# Altium PCB FPGA_SHIELD_MARK1_Single_Side.PcbDoc (part 3 of 3)
Units mil, origin at the board's own origin, x right, y up, seen from the top; angles counter-clockwise.
Board outline 3360 x 2600 mil, 4 copper layers (Top Layer, VCC, GND, Bottom Layer); 151 components, 185 nets, 729 pads, 460 vias.
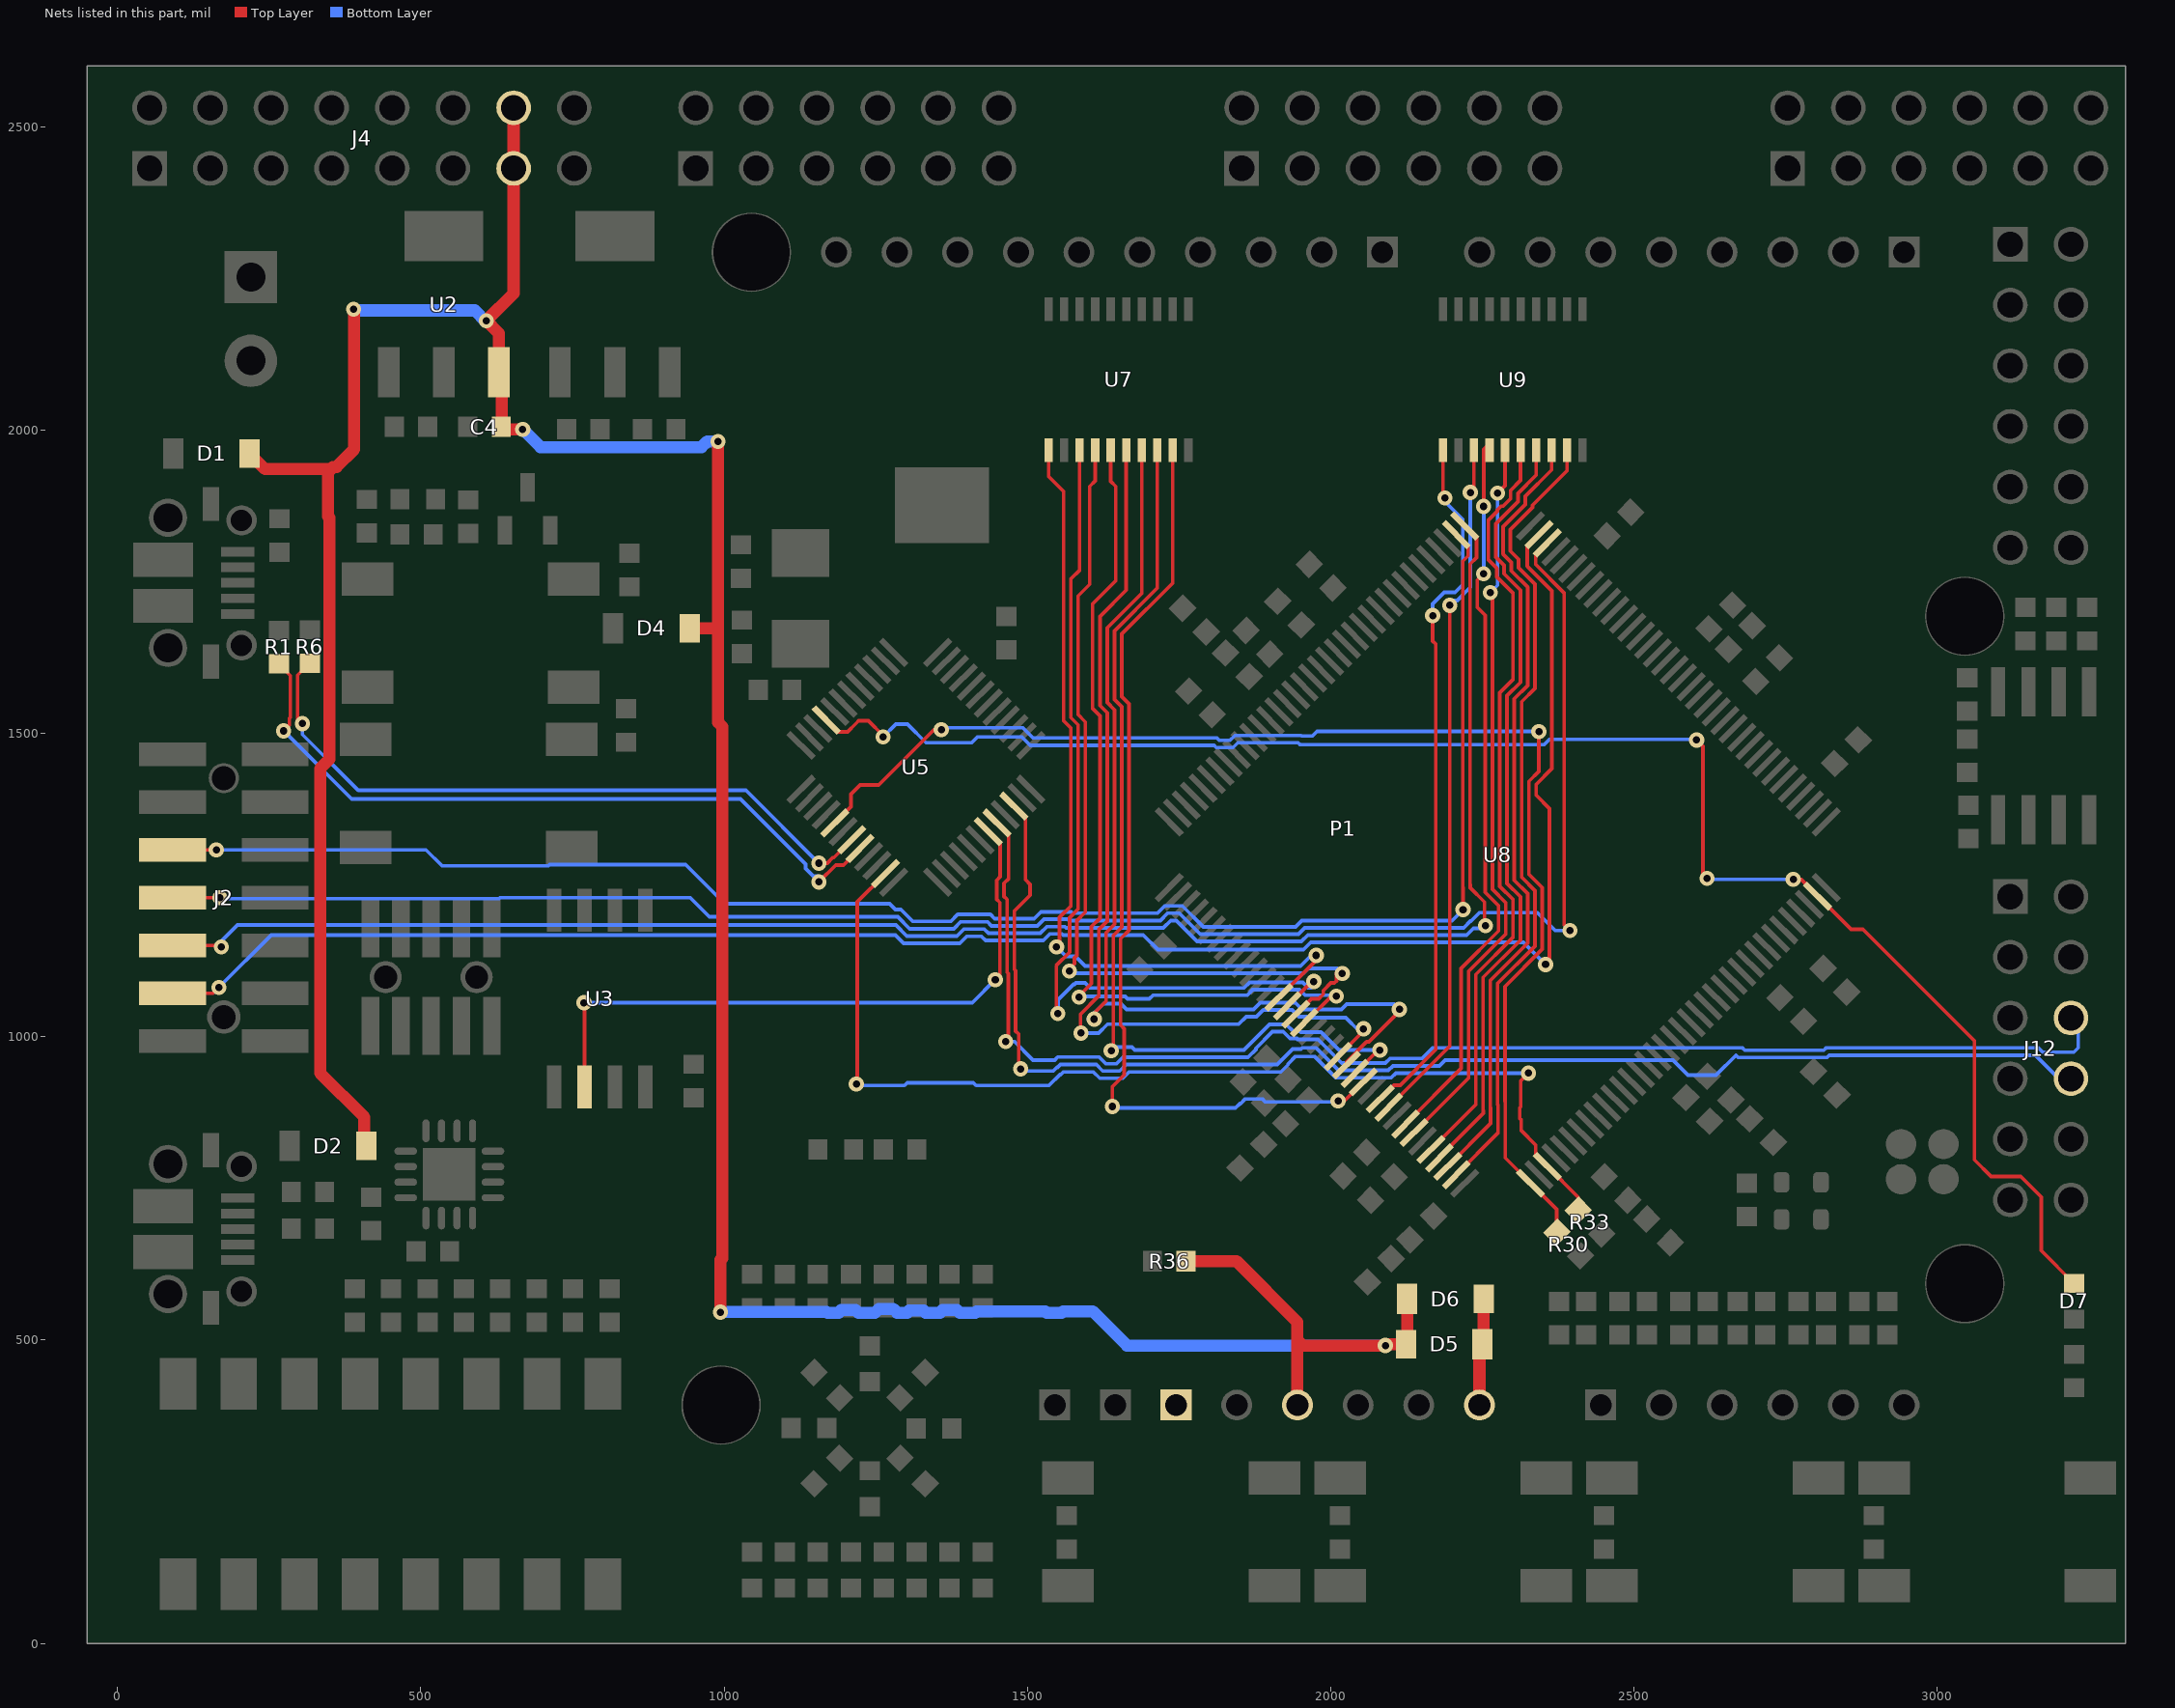
[diagram p5: the nets of this part, all layers, seen from the top]

## Via types
v1: diameter 25, hole 12, Top Layer to Bottom Layer, tented both sides, 386 vias
v2: diameter 25, hole 12, Top Layer to Bottom Layer, 37 vias
v3: diameter 26, hole 12, Top Layer to Bottom Layer, 16 vias
v4: diameter 26, hole 12, Top Layer to Bottom Layer, tented both sides, 12 vias
v5: diameter 26, hole 15, Top Layer to Bottom Layer, 5 vias
v6: diameter 25.98, hole 12.99, Top Layer to Bottom Layer, tented both sides, 4 vias

## Nets (pads, with @x,y where several pads share a name; then routed paths per layer and width w, separated by ;. In a path a pad name is that pad's centre, name@x,y a point inside that pad or via, vN(x,y) a via of type N, cw(c..) or ccw(c..) an arc to the next point about the centre after c; other vN are vias at no path point) (continued)
PMOD6_9: J12.9 U5.32 | length 2279
  Top Layer w6: U5.32@1449.63,1352.13 1469.07,1332.69 1469.07,1260.47 1461.5,1252.91 1461.5,1231.09 1466.5,1226.09 1466.5,1105.91 1468.5,1103.91 1468.5,996.5 v1(1464,992)
  Bottom Layer w6: v1(1464,992) 1478.62,992 1509.12,961.5 1544.88,961.5 1549.88,966.5 1618.09,966.5 1629.09,955.5 1646.91,955.5 1657.41,966 1863.62,966 1876.5,978.88 1876.5,980.91 1903.74,1008.15 1921.55,1008.15 1932.7,997 1944.38,997 1944.5,996.88 1944.5,995.88 1944.88,995.5 1978.85,995.5 2017.85,956.5 2089.91,956.5 2097.41,964 2150.38,964 2167.88,981.5 2678.53,981.5 2682.23,977.8 2812.71,977.8 2816.42,981.5 3166.53,981.5 3173.53,974.5 3224.97,974.5 3232,981.53 3232,1016 J12.9@3220,1028
PMOD6_10: J12.10 U5.34 | length 2282.8
  Top Layer w6: U5.34@1477.47,1379.97 1496.9,1360.53 1496.9,1258.5 1504.5,1250.91 1504.5,1233.09 1478.5,1207.09 1478.5,1110.88 1480.5,1108.88 1480.5,1009.21 1485.5,1004.21 1485.5,950.5 v1(1489,947)
  Bottom Layer w6: v1(1489,947) 1492.5,943.5 1542.53,943.5 1548.53,949.5 1549.85,949.5 1554.35,954 1613.62,954 1624.12,943.5 1651.88,943.5 1662.38,954 1911.62,954 1937.12,979.5 1951,979.5 1953,981.5 1975.88,981.5 2012.88,944.5 2094.88,944.5 2102.38,952 2179,952 2188.5,961.5 2563.91,961.5 2588.91,936.5 2635,936.5 2668,969.5 2671.7,965.8 2817.68,965.8 2821.39,969.5 3161.56,969.5 3203.06,928 J12.10@3220,928
SCK: U3.6 U5.31 | length 1089.1
  Top Layer w6: U3.6@770,917.33 v3@770,1056 ; U5.31@1435.71,1338.21 1435.71,1337.39 1455.15,1317.95 1455.15,1263.52 1449.5,1257.88 1449.5,1226.12 1454.5,1221.12 v1@1454.5,1094
  Bottom Layer w6: v3(769,1056) 769.25,1056.25 1409.25,1056.25 v1(1447,1094)
SHIELD_D0: U8.35 U9.9 | length 1333.4
  Top Layer w6: U8.35@2206.8,772.45 2275.5,841.16 2275.5,887.88 2275,888.38 2275,1087.74 2336.5,1149.24 2336.5,1240.73 2314.5,1262.73 2314.5,1552 2336.5,1574 2336.5,1745.82 2309.5,1772.82 2309.5,1786.82 2295.93,1800.39 2295.93,1835.61 2332.5,1872.18 2332.5,1875.91 2389.57,1932.97 U9.9@2389.57,1977.86
SHIELD_D1: U8.34 U9.8 | length 1314.6
  Top Layer w6: U8.34@2192.88,786.37 2263.5,857 2263.5,882.91 2263,883.41 2263,1092.71 2324.5,1154.21 2324.5,1235.76 2302.5,1257.76 2302.5,1556.97 2324.5,1578.97 2324.5,1740.85 2297.5,1767.85 2297.5,1781.85 2283.93,1795.42 2283.93,1840.58 2320.5,1877.15 2320.5,1890.59 2363.98,1934.06 U9.8@2363.98,1977.86
SHIELD_D2: U8.33 U9.7 | length 1295.9
  Top Layer w6: U8.33@2178.96,800.29 2178.96,801.27 2251.5,873.82 2251.5,877.94 2251,878.44 2251,1097.68 2312.5,1159.18 2312.5,1230.79 2290.5,1252.79 2290.5,1561.94 2312.5,1583.94 2312.5,1735.88 2285.5,1762.88 2285.5,1776.88 2271.93,1790.45 2271.93,1845.55 2308.5,1882.12 2308.5,1895.56 2338.39,1925.44 U9.7@2338.39,1977.86
SHIELD_D3: U8.32 U9.6 | length 1278.5
  Top Layer w6: U8.32@2165.04,814.21 2165.12,814.21 2239,888.09 2239,1102.65 2300.5,1164.15 2300.5,1225.82 2278.5,1247.82 2278.5,1566.91 2300.5,1588.91 2300.5,1730.91 2273.5,1757.91 2273.5,1771.91 2259.93,1785.48 2259.93,1851.52 2274.5,1866.09 2274.5,1868.09 2280.91,1874.5 2283.91,1874.5 2296.5,1887.09 2296.5,1900.53 2312.8,1916.82 U9.6@2312.8,1977.86
SHIELD_D4: U8.30 U9.5 | length 1219.1
  Top Layer w6: U8.30@2137.2,842.05 2227,931.85 2227,1107.62 2288.5,1169.12 2288.5,1220.85 2266.5,1242.85 2266.5,1728.5 v1(2263,1732) ; v1(2275,1896) 2287.2,1908.2 U9.5@2287.2,1977.86
  Bottom Layer w6: v1(2263,1732) 2275,1744 v1(2275,1896)
SHIELD_D5: U8.29 U9.4 | length 1208.2
  Top Layer w6: U8.29@2123.28,855.97 2215,947.69 2215,1112.59 2276.5,1174.09 2276.5,1215.88 2254.5,1237.88 2254.5,1694.44 2241.5,1707.44 2241.5,1752.5 v1(2252,1763) ; v1(2252,1874) 2252,1968.24 U9.4@2261.61,1977.86
  Bottom Layer w6: v1(2252,1763) v1(2252,1874)
SHIELD_D6: U8.27 U9.3 | length 1159.5
  Top Layer w6: U8.27@2095.44,883.81 2196,984.37 v1(2196,1711) ; v1(2230,1897) 2236.02,1903.02 U9.3@2236.02,1977.86
  Bottom Layer w6: v1(2196,1711) 2196,1719 2208.38,1719 2230,1740.62 v1(2230,1897)
SHIELD_D7: U8.26 U9.1 | length 1170.7
  Top Layer w6: U8.26@2081.52,897.73 2103.97,920.18 2114.4,920.18 2173,978.78 2173,1647 2168,1652 v1(2168,1694) ; U9.1@2184.84,1977.86 2184.84,1891.16 v1(2188,1888)
  Bottom Layer w6: v1(2168,1694) 2168,1713.41 2187.09,1732.5 2204.91,1732.5 2217.5,1745.09 2217.5,1852.5 2188,1882 v1(2188,1888)
SHIELD_D8: U7.9 U8.24 | length 1580.7
  Top Layer w6: v1(1640,885) 1640,917.59 1659.5,937.09 1659.5,1013 1653.55,1018.95 1653.55,1114.94 1653.5,1114.98 1653.5,1161.48 1667.5,1175.48 1667.5,1548.67 1655.5,1560.67 1655.5,1663.91 1739.57,1747.97 U7.9@1739.57,1966.86 ; v1@2019.11,891 U8.24@2053.68,925.57
  Bottom Layer w6: v1(1640,885) 1640,893 1650.5,882.5 1842.91,882.5 1850.2,889.8 1850.81,889.19 1859.12,897.5 1886.88,897.5 1891.88,892.5 2010.5,892.5 v1(2012,894)
SHIELD_D9: U7.8 U8.23 | length 1585.8
  Top Layer w6: v1(1638,977) 1641.55,980.55 1641.55,1109.97 1641.5,1110.01 1641.5,1166.45 1655.5,1180.45 1655.5,1543.7 1643.5,1555.7 1643.5,1668.88 1713.98,1739.35 U7.8@1713.98,1966.86 ; U8.23@2039.76,939.49 2078.27,978 v1(2081,978)
  Bottom Layer w6: v1@1630,981 v1@1632,983 ; v1(1638,977) v1@1632,983 ; v1(2081,978) 2013.32,978 1983.82,1007.5 1950.85,1007.5 1949.35,1009 1937.67,1009 1926.52,1020.15 1898.77,1020.15 1856.62,978 1677,978 1672,983 v1@1632,983
SHIELD_D10: U7.7 U8.22 | length 1668.1
  Top Layer w6: v1(1610,1029) 1610,1039 1629.5,1058.5 1629.5,1171.42 1643.5,1185.42 1643.5,1538.73 1631.5,1550.73 1631.5,1673.85 1688.39,1730.73 U7.7@1688.39,1966.86 ; U8.22@2025.84,953.41 2025.84,958.25 2059.09,991.5 2062.91,991.5 2113,1041.59 v1(2113,1045)
  Bottom Layer w6: v1(1610,1029) 1609,1030 1604,1025 1600,1029 1625.5,1054.5 1653.91,1054.5 1663.41,1045 1872.71,1045 1883.86,1056.15 1941.43,1056.15 1952.58,1045 2017.62,1045 2026.12,1053.5 2104.5,1053.5 v1(2113,1045)
SHIELD_D11: U7.6 U8.21 | length 1553.9
  Top Layer w6: v1(1588,1006) 1587.5,1006.5 1587.5,1037.09 1617.5,1067.09 1617.5,1176.39 1631.5,1190.39 1631.5,1533.76 1619.5,1545.76 1619.5,1692.5 1662.8,1735.8 U7.6@1662.8,1966.86 ; U8.21@2011.92,967.33 2054,1009.4 v1(2054,1013)
  Bottom Layer w6: v1(1588,1006) 1617.41,1006 1631.91,1020.5 1848.21,1020.5 1860.71,1033 1877.68,1033 1888.83,1044.15 1936.46,1044.15 1947.61,1033 1959.29,1033 1960.79,1031.5 2024.5,1031.5 v1@2046.5,1009.5
SHIELD_D12: U7.5 U8.17 | length 1504.6
  Top Layer w6: v1(1585,1065) v1@1585,1067 ; U7.5@1637.2,1966.86 1637.2,1915.2 1645.5,1906.91 1645.5,1751.5 1607.5,1713.5 1607.5,1540.79 1619.5,1528.79 1619.5,1195.36 1605.5,1181.36 1605.5,1087.5 v1@1585,1067 ; U8.17@1956.25,1023 1957.38,1023 2005.38,1071 2015,1071 2015,1061 v1(2009,1067) ; v1@1585,1067 1581,1063 1580,1063 1584,1067 v1@1585,1067
  Bottom Layer w6: v1@1578,1060 1580,1062 v1@1580,1062.5 ; v1@1585,1062.5 v1@1580,1062.5 ; v1(1585,1065) v1@1585,1067 ; v1(2009,1067) 2007.5,1068.5 1957.73,1068.5 1948.73,1077.5 1871.27,1077.5 1862.27,1068.5 1707.05,1068.5 1701.05,1062.5 1664.85,1062.5 1660.85,1066.5 1585.5,1066.5 v1@1585,1067 ; v1@1580,1062.5 1580,1063 1584,1067 v1@1585,1067
SHIELD_D13: U7.4 U8.16 | length 1454.5
  Top Layer w6: v1@1568,1110.5 1577.5,1120 1577.5,1130.12 1581.5,1134.12 1581.5,1191.3 1595.5,1205.3 1595.5,1518.85 1583.5,1530.85 1583.5,1726.47 1602.5,1745.47 1602.5,1906.91 1611.61,1916.02 U7.4@1611.61,1966.86 ; U8.16@1942.33,1036.92 1967.9,1062.5 1979.91,1062.5 1987.5,1070.09 1987.5,1075.91 2000.09,1088.5 2005.91,1088.5 2009.4,1092 2009.4,1104 v1(2019,1104)
  Bottom Layer w6: v1@1571,1105.5 1572,1104.5 1955.09,1104.5 1963.09,1112.5 2010.5,1112.5 v1(2019,1104)
  other v1: 1569,1108
SHIELD_RST: P1.A1
SHIELD_SCL: U7.1 U8.14 | length 1390.8
  Top Layer w6: U7.1@1534.84,1966.86 1534.84,1923.16 1559.5,1898.5 1559.5,1520.91 1571.5,1508.91 1571.5,1215.24 1553,1196.74 1553,1151 1548,1146 v1(1548,1148) ; U8.14@1914.49,1064.76 1976,1126.28 v1(1976,1134)
  Bottom Layer w6: v1(1548,1148) 1563.5,1132.5 1578.91,1132.5 1594.91,1116.5 1950.12,1116.5 1967.62,1134 v1(1976,1134)
SHIELD_SDA: U7.3 U8.15 | length 1494.2
  Top Layer w6: v1(1550,1038) 1547.5,1040.5 1547.5,1117.09 1569.5,1139.09 1569.5,1196.27 1583.5,1210.27 1583.5,1513.88 1571.5,1525.88 1571.5,1754.48 1586.02,1769 U7.3@1586.02,1966.86 ; U8.15@1928.41,1050.84 1961.56,1084 1971,1084 1972,1085 v1(1972,1091)
  Bottom Layer w6: v1(1550,1038) 1551,1039 1551,1061.41 1576.09,1086.5 1577.91,1086.5 1579.91,1088.5 1594.91,1088.5 1602.91,1080.5 1857.3,1080.5 1866.3,1089.5 1953.7,1089.5 1962.7,1080.5 1967.5,1080.5 1972,1085 v1(1972,1091)
SHIELD_VIN: D5.2 D6.1 P1.A6 | length 182.8
  Top Layer w20: P1.A6@2245,393 2245,488.01 D5.2@2249.99,493 2251.81,494.82 D6.1@2251.81,573
SLAVE_CFG_DONE: D7.A U5.9 U8.71 | length 2786
  Top Layer w6: U5.9@1168.45,1521.95 1187.89,1502.51 1203.5,1502.51 1217.42,1516.43 1221.49,1520.5 1237.91,1520.5 1262,1496.41 v1(1262,1494) ; v1(2603,1489) 2613.5,1478.5 2613.5,1267.5 v1(2620,1261) ; v1(2762.33,1259.51) 2774.83,1259.51 U8.71@2802.55,1231.79 2857.46,1176.88 2877.12,1176.88 3061,993 3061,797 3088.5,769.5 3137.19,769.5 3171,735.69 3171,647.53 D7.A@3225,593.53
  Bottom Layer w6: v1(1262,1494) 1282.94,1514.94 1302.35,1514.94 1332.79,1484.5 1407.91,1484.5 1417.41,1494 1490.65,1494 1504.65,1480 1807.62,1480 1811.12,1476.5 1838.88,1476.5 1846.88,1484.5 1946.12,1484.5 1949.12,1481.5 2351.91,1481.5 2360.41,1490 v1@2603,1490 ; v1(2620,1261) 2621.49,1259.51 v1(2762.33,1259.51)
SLAVE_CFG_INIT_B: R33.1 U5.23 U8.39 | length 1797.8
  Top Layer w6: v1(1218,922) 1219.5,923.5 1219.5,1222.23 U5.23@1265.89,1268.62 ; v1(2326,940) 2313.03,927.03 2313.03,884.44 2311.5,882.91 2311.5,865.09 2314,862.59 2314,845 2337.68,821.32 2337.68,805.81 U8.39@2357.13,786.37 2407.57,735.92 R33.1@2407.57,713.96
  Bottom Layer w6: v1(1218,922) 1220.5,919.5 1297.21,919.5 1301.71,924 1410.91,924 1415.41,919.5 1535.5,919.5 1553.5,937.5 1554.82,937.5 1559.32,942 1608.65,942 1619.15,931.5 1656.85,931.5 1667.35,942 1917.59,942 1929.5,953.91 1929.5,954.91 1942.09,967.5 1972.91,967.5 2007.91,932.5 2099.85,932.5 2107.35,940 v1(2326,940)
SLAVE_CFG_PROG_B: R30.1 U5.17 U8.37 | length 2155.7
  Top Layer w6: U5.17@1182.37,1352.13 1182.37,1352.37 1209,1379 1209,1400 1224,1415 1255,1415 1346,1506 v1(1358,1506) ; v1(2343,1503) 2343,1437.38 2326.5,1420.88 2326.5,1267.7 2348.5,1245.7 2348.5,1144.27 2287,1082.77 2287,893.35 2287.5,892.85 2287.5,800.32 U8.37@2329.29,758.53 2372.51,715.31 R30.1@2372.51,677.49
  Bottom Layer w6: v1(1358,1506) 1361,1509 1492.62,1509 1509.12,1492.5 1812.09,1492.5 1816.09,1488.5 1833.91,1488.5 1841.91,1496.5 1951.09,1496.5 1952.09,1495.5 1969.91,1495.5 1977.41,1503 v1(2343,1503)
TCK: J2.6 U8.109 | length 2926.5
  Top Layer w6: J2.6@90.71,1150.48 168.52,1150.48 v1(171,1148) ; U8.109@2220.71,1841.47 2240.15,1822.03 2240.15,1789.45 2229.5,1778.79 2229.5,1250.97 2230,1250.47 2230,1245.41 2253.5,1221.91 2253.5,1184.5 v1(2255,1183)
  Bottom Layer w6: v1(171,1148) 171,1157 198,1184 1282.95,1184 1300.95,1166 1383.62,1166 1395.12,1177.5 1428.88,1177.5 1435.88,1170.5 1521.12,1170.5 1532.12,1181.5 1561.88,1181.5 1563.88,1179.5 1724.09,1179.5 1736.09,1191.5 1745.24,1191.5 1779.74,1157 1951.62,1157 1962.12,1167.5 2224.08,1167.5 2235.08,1178.5 2259.5,1178.5 v1(2255,1183)
TDI: J2.10 U8.110 | length 2851.9
  Top Layer w6: J2.10@90.71,1307.96 v1(163,1308) v1(163,1308) ; U8.110@2206.8,1827.55 2226.23,1808.11 2226.23,1792.5 2217.5,1783.76 2217.5,1246 2218,1245.5 v3(2218,1209.5)
  Bottom Layer w6: v1(163,1308) 508.59,1308 535.09,1281.5 710.09,1281.5 712.09,1283.5 936.5,1283.5 1001,1219 1272.59,1219 1282.09,1209.5 1291.39,1209.5 1310.89,1190 1373.68,1190 1385.18,1201.5 1438.82,1201.5 1445.82,1194.5 1511.18,1194.5 1522.18,1205.5 1571.82,1205.5 1573.82,1203.5 1714.15,1203.5 1726.15,1215.5 1755.18,1215.5 1789.68,1181 1941.68,1181 1952.18,1191.5 2200,1191.5 v3(2218,1209.5)
TDO: J2.8 U8.106 | length 3055
  Top Layer w6: J2.8@90.71,1229.22 168.78,1229.22 v1(169,1229) ; U8.106@2357.13,1813.63 2357.13,1812.79 2337.68,1793.35 2337.68,1778.58 2384.5,1731.76 2384.5,1184.5 v1(2394,1175)
  Bottom Layer w6: v1(169,1229) 170.5,1227.5 628.91,1227.5 630.41,1229 944,1229 975.5,1197.5 1286.42,1197.5 1305.92,1178 1378.65,1178 1390.15,1189.5 1433.85,1189.5 1440.85,1182.5 1516.15,1182.5 1527.15,1193.5 1566.85,1193.5 1568.85,1191.5 1719.12,1191.5 1731.12,1203.5 1750.21,1203.5 1784.71,1169 1946.65,1169 1957.15,1179.5 2219.11,1179.5 2230.11,1190.5 2230.97,1190.5 2244.97,1204.5 2340.5,1204.5 2370,1175 v1(2394,1175)
TMS: J2.4 U8.107 | length 3107.7
  Top Layer w6: J2.4@90.71,1071.74 157.74,1071.74 v1(167,1081) ; U8.107@2343.21,1827.55 2323.77,1808.11 2323.77,1775.53 2364.5,1734.79 2364.5,1441.91 2338.5,1415.91 2338.5,1398.09 2360.5,1376.09 2360.5,1125.5 v1(2354,1119)
  Bottom Layer w6: v1(167,1081) 253.5,1167.5 1282.48,1167.5 1295.98,1154 1388.59,1154 1400.09,1165.5 1423.91,1165.5 1430.91,1158.5 1526.09,1158.5 1537.09,1169.5 1556.91,1169.5 1558.91,1167.5 1690.91,1167.5 1714.91,1143.5 1955.09,1143.5 1967.09,1155.5 2317.5,1155.5 v1(2354,1119)
USB_DM: R6.2 U5.19 | length 1138.3
  Top Layer w6: v1(305,1516) 297,1524 297,1596 316.44,1615.44 R6.2@317,1615.44 ; v1(1156,1286) 1170.03,1286 1179.03,1295 1180.92,1295 U5.19@1210.21,1324.29
  Bottom Layer w6: v1(305,1516) 305,1498 397,1406 1036,1406 v1(1156,1286)
USB_DP: R1.2 U5.20 | length 1208.1
  Top Layer w6: R1.2@266,1614.44 266,1614 285,1595 285,1526.41 283.5,1524.91 283.5,1513.5 v1(274,1504) ; v1(1156,1255) 1184,1283 1196.76,1283 U5.20@1224.13,1310.37
  Bottom Layer w6: v1(274,1504) 386,1392 1027,1392 1134.5,1284.5 1134.5,1277.09 1147.09,1264.5 1154.5,1264.5 1156,1263 v1(1156,1255)
VIN_5V: C4.2 D1.1 D2.1 D4.1 D5.1 D6.2 J4.13 J4.15 P1.A3 R36.1 U2.3 | length 6003.6
  Top Layer w20: D1.1@217.99,1961 243.49,1935.5 351.81,1935.5 ; v2(389,2199) 390,2198 390,1968 361,1939 355.31,1939 351.81,1935.5 ; D2.1@406.81,809 406.81,867.19 334,940 334,1441.87 349.73,1457.6 349.73,1855 346.73,1858 346.73,1930.43 351.81,1935.5 ; C4.2@632.56,2005 636.56,2001 v1(668,2001) ; C4.2@633.56,2005 633.56,2093.79 628.55,2098.8 628.55,2159.45 v1(608,2180) 653,2225 J4.13@653,2431 J4.15@653,2531 ; D4.1@942.99,1673 985,1673 990,1678 ; v1(990,1981) 990,1678 ; v1(994,546) 994,632 997,635 997,1511 990,1518 990,1678 ; R36.1@1761.09,630 1844.58,630 1945,529.58 1945,500 ; P1.A3@1945,393 1945,500 ; D6.2@2125.83,573 2125.83,494.82 D5.1@2124.01,493 2092,493 v1(2090,491) 1954,491 1945,500
  Bottom Layer w20: v2@389,2197 589,2197 v1@607,2179 ; v1(668,2001) 697.5,1971.5 962.81,1971.5 972.31,1981 v1(990,1981) ; v1(994,546) 994.5,546.5 1168.81,546.5 1170.31,545 1188.69,545 1193.19,549.5 1216.81,549.5 1221.31,545 1248.69,545 1255.19,551.5 1278.81,551.5 1285.31,545 1301.69,545 1305.19,548.5 1328.81,548.5 1332.31,545 1355.69,545 1360.19,549.5 1383.81,549.5 1388.31,545 1413.69,545 1416.19,547.5 1529.49,547.5 1531.99,545 1556.01,545 1558.51,547.5 1607.52,547.5 1664.02,491 v1(2090,491)
pads on no net: J1.4 J2.12 J2.14 J2.M1 J2.M2 J3.4 J4.14 J4.16 J6.7 J6.8 J6.M P1.A-1 P1.M U1.4 U1.5 U1.11 U1.12 U1.14 U1.16 U5.42 U8.72 U8.74 U8.144

## Polygon pours and split planes (outlines as drawn)
GND on Bottom Layer "GND_BOT" (solid, remove dead copper, shelved, pour order 7): 25,24 25,2574 3275,2574 3300,2549 3300,24
GND on Top Layer "GND_TOP" (solid, remove dead copper, shelved, pour order 9): 25,24 25,2574 3275,2574 3300,2549 3300,24
3V3 on VCC "3V3" (solid, remove dead copper, pour order 7): 0,50 3280,50 3280,2550 0,2550 0,50
GND on GND "GND" (solid, remove dead copper, pour order 11): 0,50 0,2550 3280,2550 3280,50 0,50

## Silkscreen, mask and mechanical layers (free items; w line width, h text height)
Top Overlay:
  lines w10: 1350,1753 1370.01,1753 ; 1358.51,1767.85 1358.51,1805 ; 1359,1738 1361,1738 ; 1360,1767.85 1337,1767.85 1380.03,1767.85 ; 1146.47,2250 2140,2250 2140,2338.88 1146.47,2338.88 1146.47,2250 ; 1499,354 1499,435 2300,435 2300,354 1499,354 ; 2211,2250.5 2991.5,2250.5 2991.5,2338 2211,2338 2211,2250.5 ; 2400,357.03 2400,430 2995.73,430 2995.73,357.03 2400,357.03
  lines w15: 12,2568 12,2359 60,2359 ; 40,2359 180,2359 ; 440,2379 592,2379 592,2568 ; 612,2568 612,2379 792.5,2379 792.5,2569
  text "EDU 5V" at 774,2495 h50 r180
  text "PMOD4" at 3138.78,2393.05 h75 r180
  text "PMOD3" at 2263.57,2391.54 h75 r180
  text "PMOD2" at 1337,2390 h75 r180
  text "PMOD1" at 417,2386 h75 r180
  text "GND" at -37,2321 h75 r270
  text "VIN" at -38,2169 h75 r270
  text "-" at 1497.39,2169 h32
  text "PMOD5" at 3078,1951 h75 r90
  text "GND" at 1090,1915 h100
  text "PROGRAM" at -43,1902 h75 r270
  text "XILINX-JTAG" at -35,1434 h75 r270
  text "RESET" at 727,1371 h100
  text "PMOD6" at 3078,875 h75 r90
  text "USB-SERIAL" at -36,874 h75 r270
  text "STATUS" at 1080,844 h100
  text "-" at 535,708.61 h32 r270
  text "4" at 1265,474 h60
  text "3" at 1165,459 h60
  text "-" at 745.39,419 h32
  text "DONE" at 3295,419 h75 r90
  text "5" at 1345,399 h60
  text "2" at 1100,379 h60
  text "6" at 1355,294 h60
  text "1" at 1110,274 h60
  text "7" at 1285,219 h60
  text "0" at 1185,214 h60
  text "1" at 190,14 h60
  text "2" at 290,14 h60
  text "4" at 485,14 h60
  text "5" at 585,14 h60
  text "6" at 685,14 h60
  text "7" at 785,14 h60
  text "3" at 388,13 h60
  text "0" at 87,12 h60
  text "0" at 1030,9 h60
  text "1" at 1090,9 h60
  text "2" at 1140,9 h60
  text "3" at 1195,9 h60
  text "4" at 1250,9 h60
  text "5" at 1305,9 h60
  text "6" at 1355,9 h60
  text "7" at 1415,9 h60
Bottom Overlay:
  rectangle: 1220.5,551.5 2610,1045
  text "FPGA" at 2939,1750 h750
  text "MARK-1" at 2682.23,1165 h750
  text "V2012.6.7.a" at 1140.85,952 h150
[5] Board Outline:
  the board outline again, w10
[16] Generic Top Title Block:
  lines w0: 6555.83,-2329.5 4162.83,-2329.5 4162.83,-1739.69 6555.83,-1739.69
  lines w8: 4860.78,-2329.5 4860.78,-1739.69 ; 4860.78,-2132.9 6555.83,-2132.9 ; 4860.78,-1936.29 6555.83,-1936.29 ; 5409.18,-2132.9 5409.18,-1936.29 ; 6555.83,-2329.5 4162.83,-2329.5 4162.83,-1739.69 6555.83,-1739.69
  lines w10: -3344,-1430 -3244,-1430 ; -3344,-430 -3244,-430 -3244,570 -3344,570 ; -3344,1570 -3244,1570 ; -3344,2570 -3244,2570 ; -3344,3570 -3244,3570 ; -3344,4570 -3244,4570 ; -2344,-2430 -2344,-2330 ; -2344,4970 -2344,5070 ; -1344,-2430 -1344,-2330 ; -1344,4970 -1344,5070 ; -344,-2430 -344,-2330 ; -344,4970 -344,5070 ; 656,-2430 656,-2330 ; 656,4970 656,5070 ; 1656,-2430 1656,-2330 ; 1656,4970 1656,5070 ; 2656,-2430 2656,-2330 ; 2656,4970 2656,5070 ; 3656,-2430 3656,-2330 ; 3656,4970 3656,5070 ; 4656,-2430 4656,-2330 ; 4656,4970 4656,5070 ; 5656,-2430 5656,-2330 ; 5656,4970 5656,5070 ; 6555.83,-2329.5 6555.83,-1739.69 ; 6556,-1430 6656,-1430 ; 6556,-430 6656,-430 6656,570 6556,570 ; 6556,1570 6656,1570 ; 6556,2570 6656,2570 ; 6556,3570 6656,3570 ; 6556,4570 6656,4570 ; 6656,-2330 6656,-2430 ; 6656,-2430 6656,5070 -3344,5070 -3344,-2430 6656,-2430 ; -3244,-2330 -3244,4970 6556,4970 6556,-2330 -3244,-2330
  text "1" at -2879,4990 h100
  text "2" at -1804,4990 h100
  text "3" at -854,4990 h100
  text "4" at 196,4990 h100
  text "5" at 1146,4990 h100
  text "6" at 2171,4990 h100
  text "7" at 3121,4990 h100
  text "8" at 4096,4990 h100
  text "9" at 5196,4990 h100
  text "10" at 6146,4990 h100
  text "H" at -3329,4735 h100
  text "H" at 6576,4730 h100
  text "G" at -3329,4010 h100
  text "G" at 6576,4005 h100
  text "F" at -3319,3025 h100
  text "F" at 6586,3020 h100
  text "E" at -3329,2060 h100
  text "E" at 6576,2055 h100
  text "D" at -3329,1060 h100
  text "D" at 6576,1055 h100
  text "C" at -3319,90 h100
  text "C" at 6586,85 h100
  text "B" at -3324,-955 h100
  text "B" at 6581,-960 h100
  text ".PCB_TITLE" at 4910,-1877 h175
  text "" at 4661.37,-1891.77 h152.56
  text "" at 4743.48,-1891.77 h152.56
  text "A" at -3319,-1955 h100
  text "A" at 6586,-1960 h100
  text "R" at 4910.64,-2085.4 h95.35
  text "e" at 4965.38,-2085.4 h95.35
  text "v" at 5020.13,-2085.4 h95.35
  text ":" at 5074.87,-2085.4 h95.35
  text "2" at 4212.68,-2092.46 h343.27
  text ".PCB_VERSION" at 5138,-2093 h175
  text ".ENGINEER" at 5466,-2094 h175
  text "" at 4412.1,-2104.56 h343.27
  text "" at 4562.65,-2104.56 h343.27
  text "W" at 4212.68,-2183.7 h95.35
  text "a" at 4294.8,-2183.7 h95.35
  text "v" at 4349.54,-2183.7 h95.35
  text "e" at 4404.29,-2183.7 h95.35
  text "n" at 4459.03,-2183.7 h95.35
  text "u" at 4513.78,-2183.7 h95.35
  text "m" at 4568.52,-2183.7 h95.35
  text "b" at 4650.64,-2183.7 h95.35
  text "e" at 4705.38,-2183.7 h95.35
  text "r" at 4760.13,-2183.7 h95.35
  text ".print_Date" at 4895,-2278 h175
  text "T" at 4212.68,-2282 h95.35
  text "e" at 4267.42,-2282 h95.35
  text "c" at 4322.17,-2282 h95.35
  text "h" at 4363.23,-2282 h95.35
  text "n" at 4417.97,-2282 h95.35
  text "o" at 4472.72,-2282 h95.35
  text "l" at 4527.46,-2282 h95.35
  text "o" at 4554.84,-2282 h95.35
  text "g" at 4609.58,-2282 h95.35
  text "i" at 4664.33,-2282 h95.35
  text "e" at 4691.7,-2282 h95.35
  text "s" at 4746.44,-2282 h95.35
  text "1" at -2869,-2405 h100
  text "2" at -1794,-2405 h100
  text "3" at -844,-2405 h100
  text "4" at 206,-2405 h100
  text "5" at 1156,-2405 h100
  text "6" at 2181,-2405 h100
  text "7" at 3131,-2405 h100
  text "8" at 4106,-2405 h100
  text "9" at 5206,-2405 h100
  text "10" at 6156,-2405 h100
[17] Generic Bottom Title Block:
  drawing of 162 lines, arcs and shapes, not listed
  text "1" at -2879,4990 h100
  text "10" at -2833,4990 h100
  text "10" at -2833,4990 h100
  text "9" at -1883,4990 h100
  text "9" at -1883,4990 h100
  text "2" at -1804,4990 h100
  text "3" at -854,4990 h100
  text "8" at -783,4990 h100
  text "8" at -783,4990 h100
  text "7" at 192,4990 h100
  text "7" at 192,4990 h100
  text "4" at 196,4990 h100
  text "6" at 1142,4990 h100
  text "6" at 1142,4990 h100
  text "5" at 1146,4990 h100
  text "5" at 2167,4990 h100
  text "5" at 2167,4990 h100
  text "6" at 2171,4990 h100
  text "4" at 3117,4990 h100
  text "4" at 3117,4990 h100
  text "7" at 3121,4990 h100
  text "8" at 4096,4990 h100
  text "3" at 4167,4990 h100
  text "3" at 4167,4990 h100
  text "2" at 5117,4990 h100
  text "2" at 5117,4990 h100
  text "9" at 5196,4990 h100
  text "10" at 6146,4990 h100
  text "1" at 6192,4990 h100
  text "1" at 6192,4990 h100
  text "H" at -3329,4735 h100
  text "H" at 6642,4735 h100
  text "H" at 6642,4735 h100
  text "H" at -3263,4730 h100
  text "H" at -3263,4730 h100
  text "H" at 6576,4730 h100
  text "G" at -3329,4010 h100
  text "G" at 6642,4010 h100
  text "G" at 6642,4010 h100
  text "G" at -3263,4005 h100
  text "G" at -3263,4005 h100
  text "G" at 6576,4005 h100
  text "F" at -3319,3025 h100
  text "F" at 6632,3025 h100
  text "F" at 6632,3025 h100
  text "F" at -3273,3020 h100
  text "F" at -3273,3020 h100
  text "F" at 6586,3020 h100
  text "E" at -3329,2060 h100
  text "E" at 6642,2060 h100
  text "E" at 6642,2060 h100
  text "E" at -3263,2055 h100
  text "E" at -3263,2055 h100
  text "E" at 6576,2055 h100
  text "D" at -3329,1060 h100
  text "D" at 6642,1060 h100
  text "D" at 6642,1060 h100
  text "D" at -3263,1055 h100
  text "D" at -3263,1055 h100
  text "D" at 6576,1055 h100
  text "C" at -3319,90 h100
  text "C" at 6632,90 h100
  text "C" at 6632,90 h100
  text "C" at -3273,85 h100
  text "C" at -3273,85 h100
  text "C" at 6586,85 h100
  text "B" at -3324,-955 h100
  text "B" at 6637,-955 h100
  text "B" at 6637,-955 h100
  text "B" at -3268,-960 h100
  text "B" at -3268,-960 h100
  text "B" at 6581,-960 h100
  text ".PCB_TITLE" at -1597,-1877 h175
  text ".PCB_TITLE" at -1597,-1877 h175
  text ".PCB_TITLE" at 4910,-1877 h175
  text "" at -1430.48,-1891.77 h152.56
  text "" at -1430.48,-1891.77 h152.56
  text "" at -1348.37,-1891.77 h152.56
  text "" at -1348.37,-1891.77 h152.56
  text "" at 4661.37,-1891.77 h152.56
  text "" at 4743.48,-1891.77 h152.56
  text "A" at -3319,-1955 h100
  text "A" at 6632,-1955 h100
  text "A" at 6632,-1955 h100
  text "A" at -3273,-1960 h100
  text "A" at -3273,-1960 h100
  text "A" at 6586,-1960 h100
  text ":" at -1761.87,-2085.4 h95.35
  text ":" at -1761.87,-2085.4 h95.35
  text "v" at -1707.13,-2085.4 h95.35
  text "v" at -1707.13,-2085.4 h95.35
  text "e" at -1652.38,-2085.4 h95.35
  text "e" at -1652.38,-2085.4 h95.35
  text "R" at -1597.64,-2085.4 h95.35
  text "R" at -1597.64,-2085.4 h95.35
  text "R" at 4910.64,-2085.4 h95.35
  text "e" at 4965.38,-2085.4 h95.35
  text "v" at 5020.13,-2085.4 h95.35
  text ":" at 5074.87,-2085.4 h95.35
  text "2" at -899.68,-2092.46 h343.27
  text "2" at -899.68,-2092.46 h343.27
  text "2" at 4212.68,-2092.46 h343.27
  text ".PCB_VERSION" at -1825,-2093 h175
  text ".PCB_VERSION" at -1825,-2093 h175
  text ".PCB_VERSION" at 5138,-2093 h175
  text ".ENGINEER" at -2153,-2094 h175
  text ".ENGINEER" at -2153,-2094 h175
  text ".ENGINEER" at 5466,-2094 h175
  text "" at -1249.65,-2104.56 h343.27
  text "" at -1249.65,-2104.56 h343.27
  text "" at -1099.1,-2104.56 h343.27
  text "" at -1099.1,-2104.56 h343.27
  text "" at 4412.1,-2104.56 h343.27
  text "" at 4562.65,-2104.56 h343.27
  text "r" at -1447.13,-2183.7 h95.35
  text "r" at -1447.13,-2183.7 h95.35
  text "e" at -1392.38,-2183.7 h95.35
  text "e" at -1392.38,-2183.7 h95.35
  text "b" at -1337.64,-2183.7 h95.35
  text "b" at -1337.64,-2183.7 h95.35
  text "m" at -1255.52,-2183.7 h95.35
  text "m" at -1255.52,-2183.7 h95.35
  text "u" at -1200.78,-2183.7 h95.35
  text "u" at -1200.78,-2183.7 h95.35
  text "n" at -1146.03,-2183.7 h95.35
  text "n" at -1146.03,-2183.7 h95.35
  text "e" at -1091.29,-2183.7 h95.35
  text "e" at -1091.29,-2183.7 h95.35
  text "v" at -1036.54,-2183.7 h95.35
  text "v" at -1036.54,-2183.7 h95.35
  text "a" at -981.8,-2183.7 h95.35
  text "a" at -981.8,-2183.7 h95.35
  text "W" at -899.68,-2183.7 h95.35
  text "W" at -899.68,-2183.7 h95.35
  text "W" at 4212.68,-2183.7 h95.35
  text "a" at 4294.8,-2183.7 h95.35
  text "v" at 4349.54,-2183.7 h95.35
  text "e" at 4404.29,-2183.7 h95.35
  text "n" at 4459.03,-2183.7 h95.35
  text "u" at 4513.78,-2183.7 h95.35
  text "m" at 4568.52,-2183.7 h95.35
  text "b" at 4650.64,-2183.7 h95.35
  text "e" at 4705.38,-2183.7 h95.35
  text "r" at 4760.13,-2183.7 h95.35
  text ".print_date" at -1582,-2278 h175
  text ".print_date" at -1582,-2278 h175
  text ".print_Date" at 4895,-2278 h175
  text "s" at -1433.44,-2282 h95.35
  text "s" at -1433.44,-2282 h95.35
  text "e" at -1378.7,-2282 h95.35
  text "e" at -1378.7,-2282 h95.35
  text "i" at -1351.33,-2282 h95.35
  text "i" at -1351.33,-2282 h95.35
  text "g" at -1296.58,-2282 h95.35
  text "g" at -1296.58,-2282 h95.35
  text "o" at -1241.84,-2282 h95.35
  text "o" at -1241.84,-2282 h95.35
  text "l" at -1214.46,-2282 h95.35
  text "l" at -1214.46,-2282 h95.35
  text "o" at -1159.72,-2282 h95.35
  text "o" at -1159.72,-2282 h95.35
  text "n" at -1104.97,-2282 h95.35
  text "n" at -1104.97,-2282 h95.35
  text "h" at -1050.23,-2282 h95.35
  text "h" at -1050.23,-2282 h95.35
  text "c" at -1009.17,-2282 h95.35
  text "c" at -1009.17,-2282 h95.35
  text "e" at -954.42,-2282 h95.35
  text "e" at -954.42,-2282 h95.35
  text "T" at -899.68,-2282 h95.35
  text "T" at -899.68,-2282 h95.35
  text "T" at 4212.68,-2282 h95.35
  text "e" at 4267.42,-2282 h95.35
  text "c" at 4322.17,-2282 h95.35
  text "h" at 4363.23,-2282 h95.35
  text "n" at 4417.97,-2282 h95.35
  text "o" at 4472.72,-2282 h95.35
  text "l" at 4527.46,-2282 h95.35
  text "o" at 4554.84,-2282 h95.35
  text "g" at 4609.58,-2282 h95.35
  text "i" at 4664.33,-2282 h95.35
  text "e" at 4691.7,-2282 h95.35
  text "s" at 4746.44,-2282 h95.35
  text "1" at -2869,-2405 h100
  text "10" at -2843,-2405 h100
  text "10" at -2843,-2405 h100
  text "9" at -1893,-2405 h100
  text "9" at -1893,-2405 h100
  text "2" at -1794,-2405 h100
  text "3" at -844,-2405 h100
  text "8" at -793,-2405 h100
  text "8" at -793,-2405 h100
  text "7" at 182,-2405 h100
  text "7" at 182,-2405 h100
  text "4" at 206,-2405 h100
  text "6" at 1132,-2405 h100
  text "6" at 1132,-2405 h100
  text "5" at 1156,-2405 h100
  text "5" at 2157,-2405 h100
  text "5" at 2157,-2405 h100
  text "6" at 2181,-2405 h100
  text "4" at 3107,-2405 h100
  text "4" at 3107,-2405 h100
  text "7" at 3131,-2405 h100
  text "8" at 4106,-2405 h100
  text "3" at 4157,-2405 h100
  text "3" at 4157,-2405 h100
  text "2" at 5107,-2405 h100
  text "2" at 5107,-2405 h100
  text "9" at 5206,-2405 h100
  text "10" at 6156,-2405 h100
  text "1" at 6182,-2405 h100
  text "1" at 6182,-2405 h100
[18] PCB Fabrication notes:
  lines w50: -3059,950 1141,950 ; -3009,4150 5941,4150 ; 1191,-200 1191,800
  text "PCB Fabrication Notes" at -3005,4295 h750
  text "Unless otherwise specified, all dimensions are in inches" at -3009,3900 h200
  text "Overall Dimension:  3.330\"  x  2.6\"" at -3009,3700 h200
  text "Finished Thickness:  .062\"" at -3009,3500 h200
  text "Layer Count: 4" at -3009,3300 h200
  text "Drill Count:" at -3009,3100 h200
  text ".Hole_Count" at -1909,3100 h200
  text "PAD Count:" at -3009,2900 h200
  text ".PAD_Count" at -1909,2900 h200
  text "Solder Mask:  RED LPI" at -3009,2700 h200
  text "Legend:  White Non-Conductive Ink LPI Process" at -3009,2500 h200
  text "RS274-X Gerber Format, 2.5 Leading Zeros Suppressed" at -3009,2300 h200
  text "Excellon Drill Format, 2.5 Trailing Zeros Suppressed" at -3009,2100 h200
  text "Layer Details" at -3059,1100 h350
  text "POLARITY" at -159,1050 h350
  text ".GTL" at -3009,600 h200
  text "Top Copper" at -2059,600 h200
  text "POSITIVE" at -59,600 h200
  text ".G1" at -3012,440 h200
  text "POSITIVE" at -60,440 h200
  text "Inner Copper" at -2037,431 h200
  text "4-Layer Stackup" at 1341,300 h200
  text "POSITIVE" at -60,280 h200
  text ".G2" at -3007,262 h200
  text "INNER COPPER" at -2037,260 h200
  text "Bottom Copper" at -2037,100 h200
  text "POSITIVE" at -59,100 h200
  text ".GBL" at -3012,80 h200
  text "Top Silkscreen" at -2037,-799 h200
  text ".GTO" at -3009,-800 h200
  text ".GBO" at -3009,-1000 h200
  text "Bottom Silkscreen" at -2009,-1000 h200
  text ".GTP" at -3001,-1173 h200
  text "Top Paste Mask" at -2028,-1182 h200
  text ".GBP" at -3007,-1339 h200
  text "Bottom Paste Mask'" at -2009,-1362 h200
  text ".GTS" at -3009,-1500 h200
  text "Top Soldermask" at -2025,-1517 h200
  text ".GBS" at -3009,-1700 h200
  text "Bottom Soldermask" at -2009,-1700 h200
  text ".TXT" at -3009,-1900 h200
  text "NC-DRILL" at -2009,-1900 h200
  text ".GM5" at -3006,-2075 h200
  text "BOARD OUTLINE" at -2000,-2082.5 h200
[19] Score:
  lines w0: 6555.83,-2329.5 4162.83,-2329.5 4162.83,-1739.69 6555.83,-1739.69
  lines w8: 4860.78,-2329.5 4860.78,-1739.69 ; 4860.78,-2132.9 6555.83,-2132.9 ; 4860.78,-1936.29 6555.83,-1936.29 ; 5409.18,-2132.9 5409.18,-1936.29 ; 6555.83,-2329.5 4162.83,-2329.5 4162.83,-1739.69 6555.83,-1739.69
  lines w10: -3344,-1430 -3244,-1430 ; -3344,-430 -3244,-430 -3244,570 -3344,570 ; -3344,1570 -3244,1570 ; -3344,2570 -3244,2570 ; -3344,3570 -3244,3570 ; -3344,4570 -3244,4570 ; -2344,-2430 -2344,-2330 ; -2344,4970 -2344,5070 ; -1344,-2430 -1344,-2330 ; -1344,4970 -1344,5070 ; -344,-2430 -344,-2330 ; -344,4970 -344,5070 ; 656,-2430 656,-2330 ; 656,4970 656,5070 ; 1656,-2430 1656,-2330 ; 1656,4970 1656,5070 ; 2656,-2430 2656,-2330 ; 2656,4970 2656,5070 ; 3656,-2430 3656,-2330 ; 3656,4970 3656,5070 ; 4656,-2430 4656,-2330 ; 4656,4970 4656,5070 ; 5656,-2430 5656,-2330 ; 5656,4970 5656,5070 ; 6555.83,-2329.5 6555.83,-1739.69 ; 6556,-1430 6656,-1430 ; 6556,-430 6656,-430 6656,570 6556,570 ; 6556,1570 6656,1570 ; 6556,2570 6656,2570 ; 6556,3570 6656,3570 ; 6556,4570 6656,4570 ; 6656,-2330 6656,-2430 ; 6656,-2430 6656,5070 -3344,5070 -3344,-2430 6656,-2430 ; -3244,-2330 -3244,4970 6556,4970 6556,-2330 -3244,-2330
  text "1" at -2879,4990 h100
  text "2" at -1804,4990 h100
  text "3" at -854,4990 h100
  text "4" at 196,4990 h100
  text "5" at 1146,4990 h100
  text "6" at 2171,4990 h100
  text "7" at 3121,4990 h100
  text "8" at 4096,4990 h100
  text "9" at 5196,4990 h100
  text "10" at 6146,4990 h100
  text "H" at -3329,4735 h100
  text "H" at 6576,4730 h100
  text "G" at -3329,4010 h100
  text "G" at 6576,4005 h100
  text "F" at -3319,3025 h100
  text "F" at 6586,3020 h100
  text "E" at -3329,2060 h100
  text "E" at 6576,2055 h100
  text "D" at -3329,1060 h100
  text "D" at 6576,1055 h100
  text "C" at -3319,90 h100
  text "C" at 6586,85 h100
  text "B" at -3324,-955 h100
  text "B" at 6581,-960 h100
  text ".PCB_TITLE" at 4910,-1877 h175
  text "" at 4661.37,-1891.77 h152.56
  text "" at 4743.48,-1891.77 h152.56
  text "A" at -3319,-1955 h100
  text "A" at 6586,-1960 h100
  text "R" at 4910.64,-2085.4 h95.35
  text "e" at 4965.38,-2085.4 h95.35
  text "v" at 5020.13,-2085.4 h95.35
  text ":" at 5074.87,-2085.4 h95.35
  text "2" at 4212.68,-2092.46 h343.27
  text ".PCB_VERSION" at 5138,-2093 h175
  text ".ENGINEER" at 5466,-2094 h175
  text "" at 4412.1,-2104.56 h343.27
  text "" at 4562.65,-2104.56 h343.27
  text "W" at 4212.68,-2183.7 h95.35
  text "a" at 4294.8,-2183.7 h95.35
  text "v" at 4349.54,-2183.7 h95.35
  text "e" at 4404.29,-2183.7 h95.35
  text "n" at 4459.03,-2183.7 h95.35
  text "u" at 4513.78,-2183.7 h95.35
  text "m" at 4568.52,-2183.7 h95.35
  text "b" at 4650.64,-2183.7 h95.35
  text "e" at 4705.38,-2183.7 h95.35
  text "r" at 4760.13,-2183.7 h95.35
  text "T" at 4212.68,-2282 h95.35
  text "e" at 4267.42,-2282 h95.35
  text "c" at 4322.17,-2282 h95.35
  text "h" at 4363.23,-2282 h95.35
  text "n" at 4417.97,-2282 h95.35
  text "o" at 4472.72,-2282 h95.35
  text "l" at 4527.46,-2282 h95.35
  text "o" at 4554.84,-2282 h95.35
  text "g" at 4609.58,-2282 h95.35
  text "i" at 4664.33,-2282 h95.35
  text "e" at 4691.7,-2282 h95.35
  text "s" at 4746.44,-2282 h95.35
  text "1" at -2869,-2405 h100
  text "2" at -1794,-2405 h100
  text "3" at -844,-2405 h100
  text "4" at 206,-2405 h100
  text "5" at 1156,-2405 h100
  text "6" at 2181,-2405 h100
  text "7" at 3131,-2405 h100
  text "8" at 4106,-2405 h100
  text "9" at 5206,-2405 h100
  text "10" at 6156,-2405 h100
[20] Assembly Drawing Top Title Block:
  lines w0: 6555.83,-2329.5 4162.83,-2329.5 4162.83,-1739.69 6555.83,-1739.69
  lines w8: 4860.78,-2329.5 4860.78,-1739.69 ; 4860.78,-2132.9 6555.83,-2132.9 ; 4860.78,-1936.29 6555.83,-1936.29 ; 5409.18,-2132.9 5409.18,-1936.29 ; 6555.83,-2329.5 4162.83,-2329.5 4162.83,-1739.69 6555.83,-1739.69
  lines w10: -3344,-1430 -3244,-1430 ; -3344,-430 -3244,-430 -3244,570 -3344,570 ; -3344,1570 -3244,1570 ; -3344,2570 -3244,2570 ; -3344,3570 -3244,3570 ; -3344,4570 -3244,4570 ; -2344,-2430 -2344,-2330 ; -2344,4970 -2344,5070 ; -1344,-2430 -1344,-2330 ; -1344,4970 -1344,5070 ; -344,-2430 -344,-2330 ; -344,4970 -344,5070 ; 656,-2430 656,-2330 ; 656,4970 656,5070 ; 1656,-2430 1656,-2330 ; 1656,4970 1656,5070 ; 2656,-2430 2656,-2330 ; 2656,4970 2656,5070 ; 3656,-2430 3656,-2330 ; 3656,4970 3656,5070 ; 4656,-2430 4656,-2330 ; 4656,4970 4656,5070 ; 5656,-2430 5656,-2330 ; 5656,4970 5656,5070 ; 6555.83,-2329.5 6555.83,-1739.69 ; 6556,-1430 6656,-1430 ; 6556,-430 6656,-430 6656,570 6556,570 ; 6556,1570 6656,1570 ; 6556,2570 6656,2570 ; 6556,3570 6656,3570 ; 6556,4570 6656,4570 ; 6656,-2330 6656,-2430 ; 6656,-2430 6656,5070 -3344,5070 -3344,-2430 6656,-2430 ; -3244,-2330 -3244,4970 6556,4970 6556,-2330 -3244,-2330
  text "1" at -2879,4990 h100
  text "2" at -1804,4990 h100
  text "3" at -854,4990 h100
  text "4" at 196,4990 h100
  text "5" at 1146,4990 h100
  text "6" at 2171,4990 h100
  text "7" at 3121,4990 h100
  text "8" at 4096,4990 h100
  text "9" at 5196,4990 h100
  text "10" at 6146,4990 h100
  text "H" at -3329,4735 h100
  text "H" at 6576,4730 h100
  text "ASSEMBLY DRAWING - TOP" at -988,4527 h500
  text "G" at -3329,4010 h100
  text "G" at 6576,4005 h100
  text "F" at -3319,3025 h100
  text "F" at 6586,3020 h100
  text "E" at -3329,2060 h100
  text "E" at 6576,2055 h100
  text "D" at -3329,1060 h100
  text "D" at 6576,1055 h100
  text "C" at -3319,90 h100
  text "C" at 6586,85 h100
  text "B" at -3324,-955 h100
  text "B" at 6581,-960 h100
  text ".PCB_TITLE" at 4910,-1877 h175
  text "" at 4661.37,-1891.77 h152.56
  text "" at 4743.48,-1891.77 h152.56
  text "A" at -3319,-1955 h100
  text "A" at 6586,-1960 h100
  text "R" at 4910.64,-2085.4 h95.35
  text "e" at 4965.38,-2085.4 h95.35
  text "v" at 5020.13,-2085.4 h95.35
  text ":" at 5074.87,-2085.4 h95.35
  text "2" at 4212.68,-2092.46 h343.27
  text ".PCB_VERSION" at 5138,-2093 h175
  text ".ENGINEER" at 5466,-2094 h175
  text "" at 4412.1,-2104.56 h343.27
  text "" at 4562.65,-2104.56 h343.27
  text "W" at 4212.68,-2183.7 h95.35
  text "a" at 4294.8,-2183.7 h95.35
  text "v" at 4349.54,-2183.7 h95.35
  text "e" at 4404.29,-2183.7 h95.35
  text "n" at 4459.03,-2183.7 h95.35
  text "u" at 4513.78,-2183.7 h95.35
  text "m" at 4568.52,-2183.7 h95.35
  text "b" at 4650.64,-2183.7 h95.35
  text "e" at 4705.38,-2183.7 h95.35
  text "r" at 4760.13,-2183.7 h95.35
  text ".PRint_Date" at 4895,-2278 h175
  text "T" at 4212.68,-2282 h95.35
  text "e" at 4267.42,-2282 h95.35
  text "c" at 4322.17,-2282 h95.35
  text "h" at 4363.23,-2282 h95.35
  text "n" at 4417.97,-2282 h95.35
  text "o" at 4472.72,-2282 h95.35
  text "l" at 4527.46,-2282 h95.35
  text "o" at 4554.84,-2282 h95.35
  text "g" at 4609.58,-2282 h95.35
  text "i" at 4664.33,-2282 h95.35
  text "e" at 4691.7,-2282 h95.35
  text "s" at 4746.44,-2282 h95.35
  text "1" at -2869,-2405 h100
  text "2" at -1794,-2405 h100
  text "3" at -844,-2405 h100
  text "4" at 206,-2405 h100
  text "5" at 1156,-2405 h100
  text "6" at 2181,-2405 h100
  text "7" at 3131,-2405 h100
  text "8" at 4106,-2405 h100
  text "9" at 5206,-2405 h100
  text "10" at 6156,-2405 h100
[21] Assembly Drawing Bottom Title Block:
  lines w0: -3243.83,-2329.5 -850.83,-2329.5 -850.83,-1739.69 -3243.83,-1739.69
  lines w8: -3243.83,-2329.5 -850.83,-2329.5 -850.83,-1739.69 -3243.83,-1739.69 ; -3243.83,-2132.9 -1548.78,-2132.9 ; -3243.83,-1936.29 -1548.78,-1936.29 ; -2097.18,-2132.9 -2097.18,-1936.29 ; -1548.78,-2329.5 -1548.78,-1739.69
  lines w10: -3344,-2330 -3344,-2430 ; -3344,-1430 -3244,-1430 ; -3344,1570 -3244,1570 ; -3344,2570 -3244,2570 ; -3344,3570 -3244,3570 ; -3344,4570 -3244,4570 ; -3244,-430 -3344,-430 -3344,570 -3244,570 ; -3243.83,-2329.5 -3243.83,-1739.69 ; -2344,-2430 -2344,-2330 ; -2344,4970 -2344,5070 ; -1344,-2430 -1344,-2330 ; -1344,4970 -1344,5070 ; -344,-2430 -344,-2330 ; -344,4970 -344,5070 ; 656,-2430 656,-2330 ; 656,4970 656,5070 ; 1656,-2430 1656,-2330 ; 1656,4970 1656,5070 ; 2656,-2430 2656,-2330 ; 2656,4970 2656,5070 ; 3656,-2430 3656,-2330 ; 3656,4970 3656,5070 ; 4656,-2430 4656,-2330 ; 4656,4970 4656,5070 ; 5656,-2430 5656,-2330 ; 5656,4970 5656,5070 ; 6556,-1430 6656,-1430 ; 6556,1570 6656,1570 ; 6556,2570 6656,2570 ; 6556,3570 6656,3570 ; 6556,4570 6656,4570 ; 6656,-430 6556,-430 6556,570 6656,570 ; -3344,-2430 -3344,5070 6656,5070 6656,-2430 -3344,-2430 ; -3244,-2330 -3244,4970 6556,4970 6556,-2330 -3244,-2330
  text "10" at -2834,4990 h100
  text "9" at -1884,4990 h100
  text "8" at -784,4990 h100
  text "7" at 191,4990 h100
  text "6" at 1141,4990 h100
  text "5" at 2166,4990 h100
  text "4" at 3116,4990 h100
  text "3" at 4166,4990 h100
  text "2" at 5116,4990 h100
  text "1" at 6191,4990 h100
  text "H" at 6641,4735 h100
  text "H" at -3264,4730 h100
  text "ASSEMBLY DRAWING - BOTTOM" at 5205,4523 h500
  text "G" at 6641,4010 h100
  text "G" at -3264,4005 h100
  text "F" at 6631,3025 h100
  text "F" at -3274,3020 h100
  text "E" at 6641,2060 h100
  text "E" at -3264,2055 h100
  text "D" at 6641,1060 h100
  text "D" at -3264,1055 h100
  text "C" at 6631,90 h100
  text "C" at -3274,85 h100
  text "B" at 6636,-955 h100
  text "B" at -3269,-960 h100
  text ".PCB_TITLE" at -1598,-1877 h175
  text "" at -1431.48,-1891.77 h152.56
  text "" at -1349.37,-1891.77 h152.56
  text "A" at 6631,-1955 h100
  text "A" at -3274,-1960 h100
  text ":" at -1762.87,-2085.4 h95.35
  text "v" at -1708.13,-2085.4 h95.35
  text "e" at -1653.38,-2085.4 h95.35
  text "R" at -1598.64,-2085.4 h95.35
  text "2" at -900.68,-2092.46 h343.27
  text ".PCB_VERSION" at -1826,-2093 h175
  text ".ENGINEER" at -2154,-2094 h175
  text "" at -1250.65,-2104.56 h343.27
  text "" at -1100.1,-2104.56 h343.27
  text "r" at -1448.13,-2183.7 h95.35
  text "e" at -1393.38,-2183.7 h95.35
  text "b" at -1338.64,-2183.7 h95.35
  text "m" at -1256.52,-2183.7 h95.35
  text "u" at -1201.78,-2183.7 h95.35
  text "n" at -1147.03,-2183.7 h95.35
  text "e" at -1092.29,-2183.7 h95.35
  text "v" at -1037.54,-2183.7 h95.35
  text "a" at -982.8,-2183.7 h95.35
  text "W" at -900.68,-2183.7 h95.35
  text ".print_Date" at -1583,-2278 h175
  text "s" at -1434.44,-2282 h95.35
  text "e" at -1379.7,-2282 h95.35
  text "i" at -1352.33,-2282 h95.35
  text "g" at -1297.58,-2282 h95.35
  text "o" at -1242.84,-2282 h95.35
  text "l" at -1215.46,-2282 h95.35
  text "o" at -1160.72,-2282 h95.35
  text "n" at -1105.97,-2282 h95.35
  text "h" at -1051.23,-2282 h95.35
  text "c" at -1010.17,-2282 h95.35
  text "e" at -955.42,-2282 h95.35
  text "T" at -900.68,-2282 h95.35
  text "10" at -2844,-2405 h100
  text "9" at -1894,-2405 h100
  text "8" at -794,-2405 h100
  text "7" at 181,-2405 h100
  text "6" at 1131,-2405 h100
  text "5" at 2156,-2405 h100
  text "4" at 3106,-2405 h100
  text "3" at 4156,-2405 h100
  text "2" at 5106,-2405 h100
  text "1" at 6181,-2405 h100
[22] Mechanical Notes:
  text "MECHANICAL NOTES" at -257,4537 h500

## Dimensions
-50,0 to 3310,0 on [6] Dimension
-50,2600 to -50,0 on [6] Dimension

## Text inside footprints (layer, text, board x,y; h text height)
J2: Top Overlay "1" at 325,993 h32 r270
P1: Top Overlay "RST" at 1760,451 h32 r90; Top Overlay "+3.3v" at 1860.51,452 h32 r90; Top Overlay "+5v" at 1956.25,450 h32 r90; Top Overlay "GND" at 2058.79,453.25 h32 r90; Top Overlay "GND" at 2097.53,314.49 h32; Top Overlay "VIN" at 2215,312.41 h32; Top Overlay "A0" at 2420,316 h25; Top Overlay "A1" at 2520,316 h25; Top Overlay "A2" at 2620,316 h25; Top Overlay "A3" at 2720,316 h25; Top Overlay "A4" at 2820,316 h25; Top Overlay "A5" at 2920,321 h25; Top Overlay "D0/RX" at 2960.5,2088 h32 r90; Top Overlay "D1/TX" at 2861.14,2091.5 h32 r90; Top Overlay "D2" at 2761,2182 h32 r90; Top Overlay "D3" at 2663.86,2182 h32 r90; Top Overlay "D4" at 2516,2353 h32; Top Overlay "D5" at 2413.35,2351 h32; Top Overlay "D6" at 2313,2350 h32; Top Overlay "D7" at 2200,2276.44 h32 r90; Top Overlay "D8" at 2103,2181 h32 r90; Top Overlay "D9" at 2003.49,2191.5 h32 r90; Top Overlay "D10" at 1900,2173 h32 r90; Top Overlay "D11" at 1794.02,2351 h32 r90; Top Overlay "D12" at 1698.09,2353 h32 r90; Top Overlay "D13" at 1596,2354 h32 r90; Top Overlay "GND" at 1489,2157 h32 r90; Top Overlay "AREF" at 1413.39,2129.09 h32 r90; Top Overlay "SCL" at 1195,2143 h32 r90; Top Overlay "SDA" at 1295,2143 h32 r90; Top Overlay "IOREF" at 1658.66,450 h32 r90; Top Overlay "N/A" at 1559.5,451 h32 r90
SW1: Top Overlay "ON" at 60,318 h32 r90; Top Overlay "OFF" at 60,128 h32 r90